# Altium PCB HW_V1.0.0.PcbDoc
Units mm, origin at the board's own origin, x right, y up, seen from the top; angles counter-clockwise.
Board outline 68.2 x 99.47 mm, 2 copper layers (Top Layer, Bottom Layer); 51 components, 65 nets, 213 pads, 238 vias.
Unrouted connection lines stored in the file: 4.
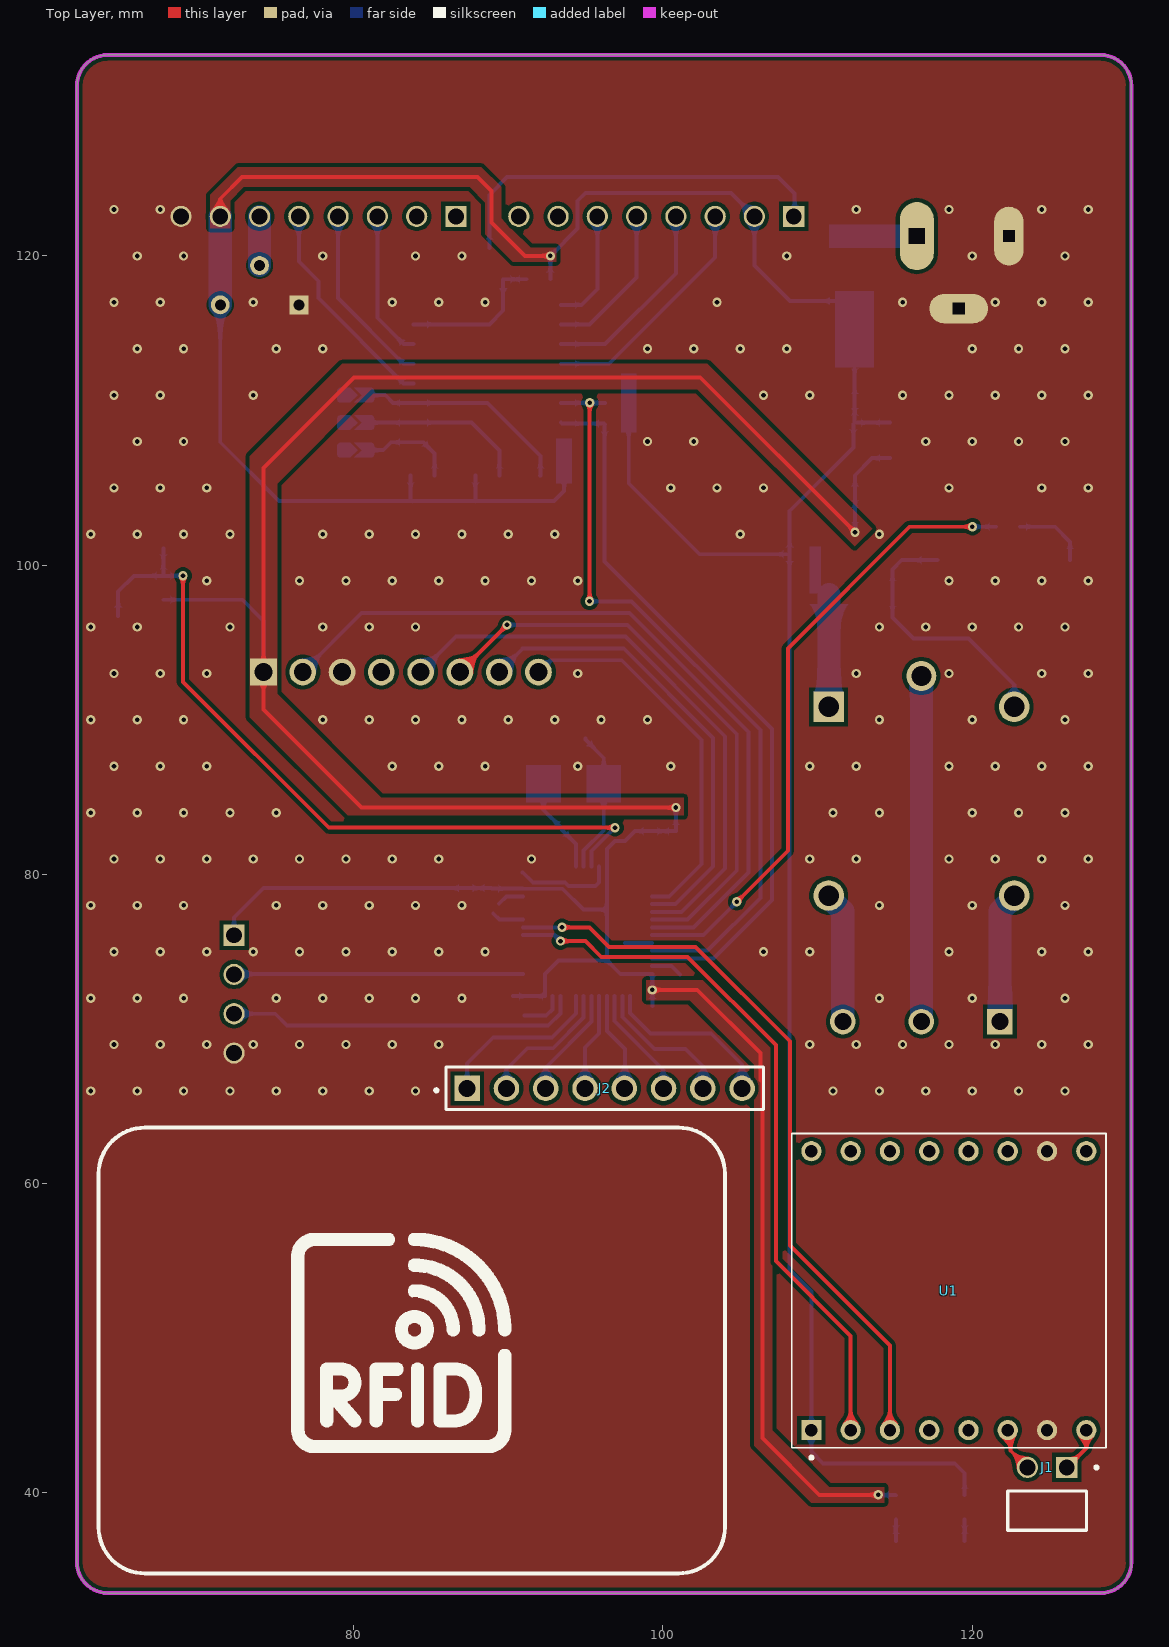
[diagram p0: Top Layer view]
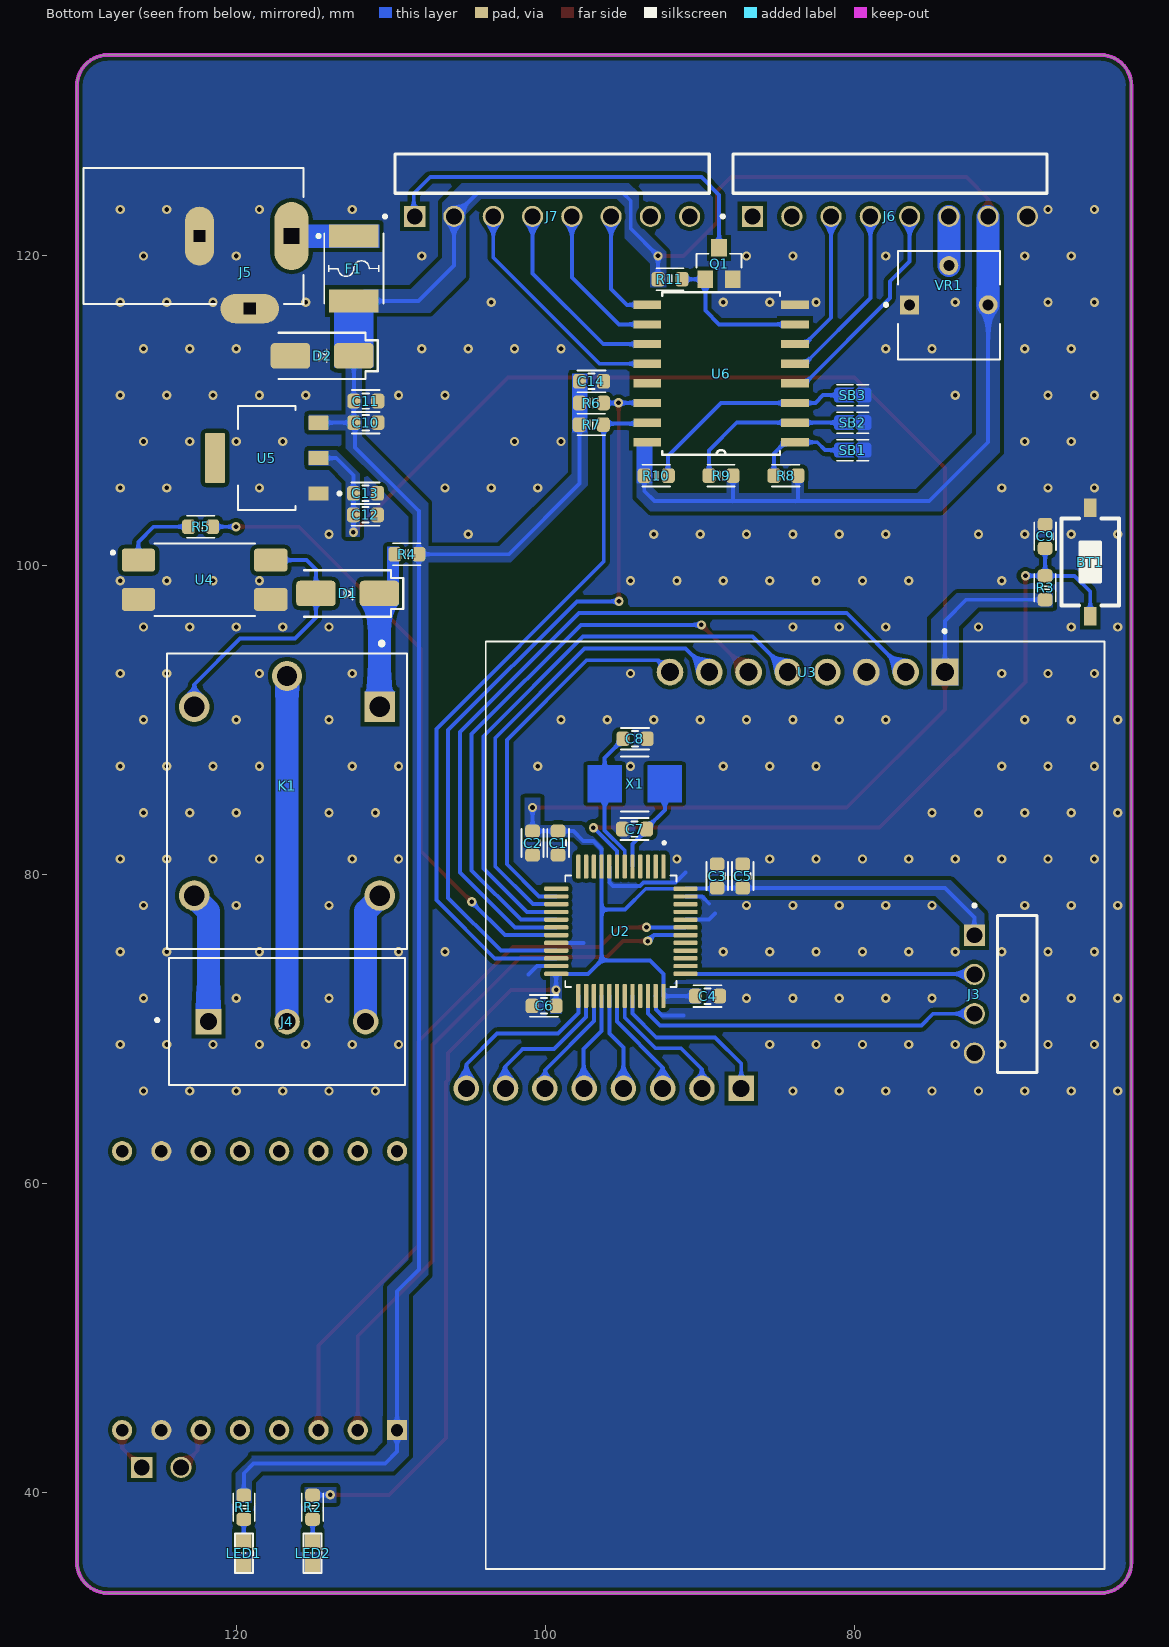
[diagram p1: Bottom Layer view, seen from below]
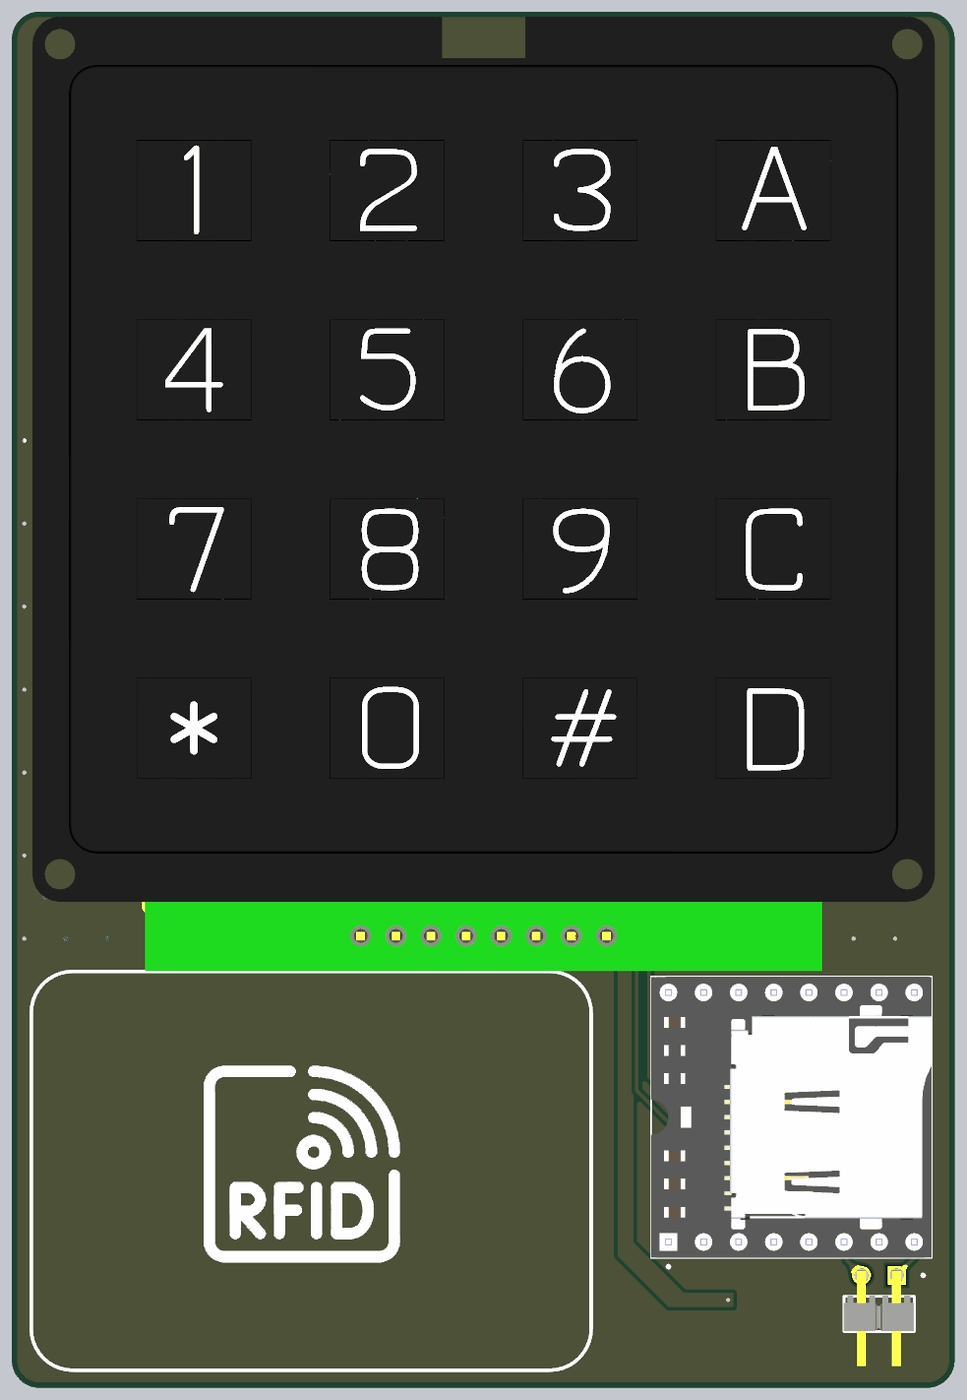
[diagram p2: 3D render of the assembled board from above, using the file's embedded part models]
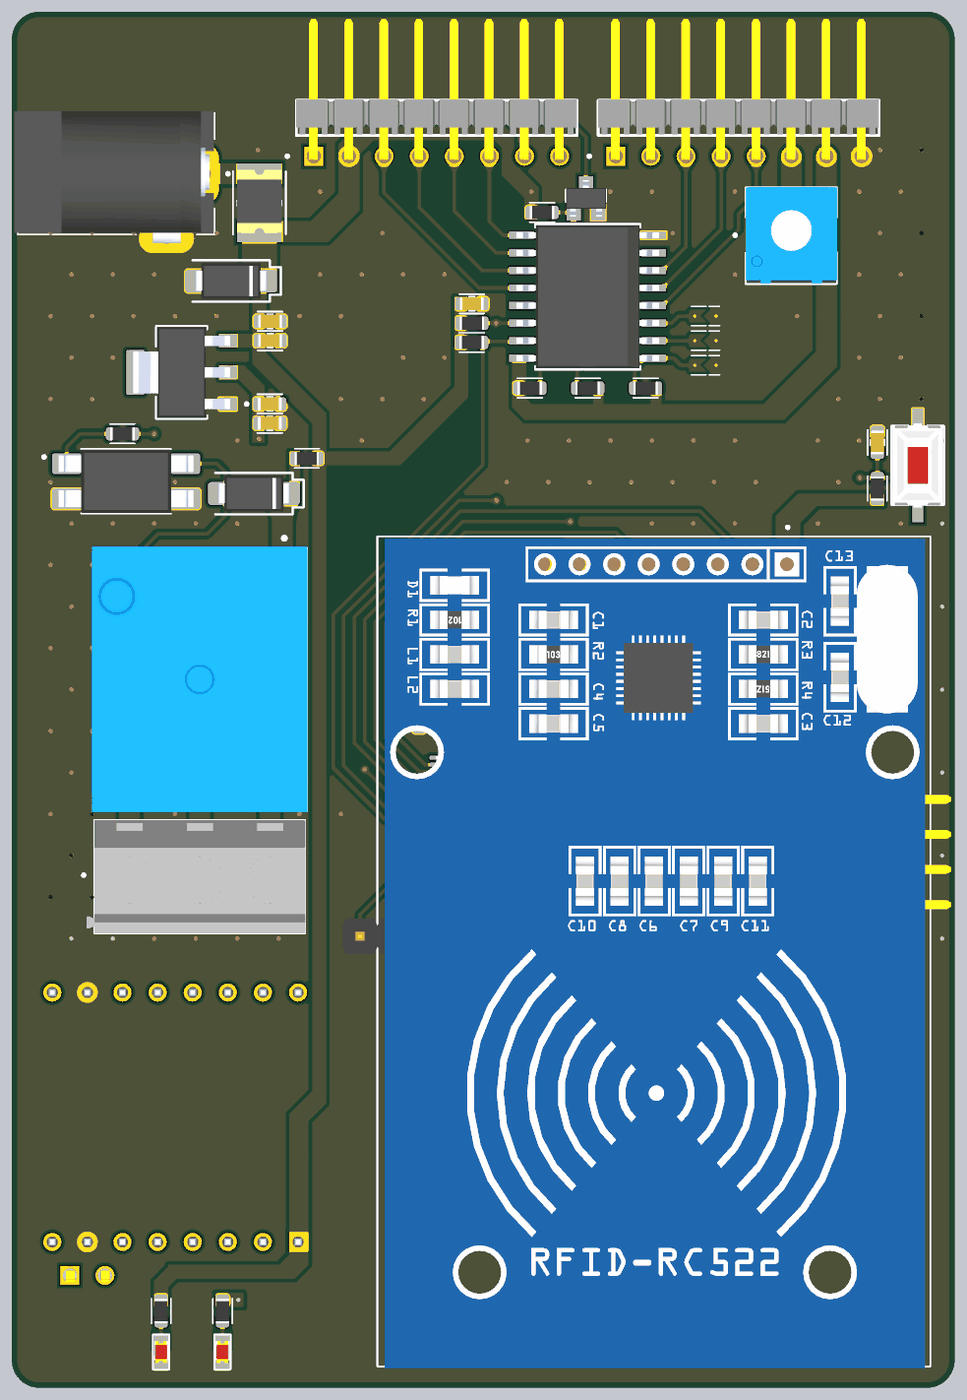
[diagram p3: 3D render of the assembled board from below, using the file's embedded part models]

## Layer stack, top to bottom
Top Solder: solder mask 0.0102, Solder Resist, Dk 3.5
Top Layer: signal copper 0.0356
Dielectric 1: dielectric 0.32, FR-4, Dk 4.8
Bottom Layer: signal copper 0.0356
Bottom Solder: solder mask 0.0102, Solder Resist, Dk 3.5

## Board outline
62.103,35.528 62.103,131 cw(c64.103,131) 64.103,133 128.302,133 cw(c128.302,131) 130.302,131 130.302,35.528 cw(c128.302,35.528) 128.302,33.528 64.103,33.528 cw(c64.103,35.528)

## Design rules (kind name [scope] priority, off if disabled: settings)
Clearance [All] p1: gap=0.254 ignorepadtopadclearanceinfootprint=FALSE except(0.127: Arc-Arc Arc-Track Arc-SMDPad Track-Track Track-SMDPad SMDPad-SMDPad)
HoleSize [All] p1: absolutevalues=TRUE maxlimit=5 minlimit=0.025 maxpercent=80.000 minpercent=20.000
PolygonConnect [All] p1: connectstyle=Direct reliefconductorwidth=0.254 reliefentries=4 polygonreliefangle="90 Angle" airgapwidth=0.254
RoutingVias [All] p1: holewidth=0.711 width=1.27 viastyle="Through Hole" minholewidth=0.711 minwidth=1.27 maxholewidth=0.711 maxwidth=1.27
SolderMaskExpansion [All] p1: expansion=0.102 istentingtop=FALSE
SupplyNets "Schematic Supply Nets_2" [InNet('3V3')] p1: voltage=0.000
SupplyNets "Schematic Supply Nets_1" [InNet('5V')] p2: voltage=0.000
SupplyNets "Schematic Supply Nets" [InNet('GND')] p3: voltage=0.000
Width [All] p1: maxlimit=2 minlimit=0.254 preferedwidth=0.254 minimp=50.000000 maximp=50.000000 favimp=50.000000
29 further rules are at their usual default settings.

## Classes and differential pairs
component class LCD: C14 J6 J7 Q1 R6 R7 R8 R9 R10 R11 SB1 SB2 SB3 U6 VR1
component class RFID: U3
component class Relay: D1 J4 K1 R4 R5 U4
component class POWER: C10 C11 C12 C13 D2 F1 J5 U5
component class MCU: BT1 C1 C2 C3 C4 C5 C6 C7 C8 C9 J1 J3 LED1 LED2 R1 R2 R3 U1 U2 X1

## Components (designator, comment, footprint, x,y, rotation, side; value= is the part's Value field where it differs from the comment)
BT1 "BT_NRST" SW2-SMD 64.77,100.203 r270 bottom value="SW chip 2 pin"
C1 "10nF/16V" CAP_C_1608X80 99.187,82.029 r90 bottom value=33pF
C2 "1uF/16V" CAP_C_1608X80 100.838,82.029 r90 bottom value=33pF
C3 "4.7uF/16V" CAP_C_1608X80 88.9,79.896 r270 bottom value=33pF
C4 "0.1uF/16V" CAP_C_1608X80 89.522,72.136 r0 bottom value=33pF
C5 "0.1uF/16V" CAP_C_1608X80 87.249,79.896 r270 bottom value=33pF
C6 "0.1uF/16V" CAP_C_1608X80 100.089,71.501 r180 bottom value=33pF
C7 "12pF/16V" CAP_C_1608X80 94.237,82.938 r180 bottom value=33pF
C8 "12pF/16V" CAP_C_1608X80 94.211,88.78 r0 bottom value=33pF
C9 "0.1uF/16V" CAP_C_1608X80 67.691,101.867 r270 bottom value=33pF
C10 "1uF/16V" CAP_C_1608X80 111.62,109.22 r0 bottom value=33pF
C11 "0.1uF/16V" CAP_C_1608X80 111.62,110.617 r0 bottom value=33pF
C12 "0.1uF/16V" CAP_C_1608X80 111.646,103.251 r0 bottom value=33pF
C13 "1uF/16V" CAP_C_1608X80 111.646,104.648 r0 bottom value=33pF
C14 "0.1uF/16V" CAP_C_1608X80 97.028,111.887 r0 bottom value=33pF
D1 "SS34" DO-214AC_SMA 112.794,98.171 r0 bottom value=1N5007
D2 "Diode SMD" DO-214AC_SMA 114.445,113.538 r0 bottom value=1N5007
F1 "MF-MSMF150/24X-2" FUSER_MF-MSMF150/24X-2 112.395,119.185 r270 bottom
J1 "MTSW-102-08-G-S-100-RA" SAMTEC_MTSW-102-08-G-S-100-RA 124.841,38.862 r0 top
J2 "keypad module" 61300811121 96.231,66.167 r0 top
J3 "HTSW-104-08-G-S-RA" SAMTEC_HTSW-104-08-G-S-RA 69.493,72.263 r90 bottom
J4 "282837-3" TE_282837-3 116.713,70.485 r180 bottom
J5 "EJ508A" MPD_EJ508A 119.126,121.285 r270 bottom
J6 "TSW-108-10-S-S-RA" SAMTEC_TSW-108-10-S-S-RA 86.614,122.555 r0 bottom
J7 "TSW-108-10-S-S-RA" SAMTEC_TSW-108-10-S-S-RA 108.458,122.555 r0 bottom
K1 "SRD-05VDC-SL-C" RELAY_SRD-05VDC-SL-C 116.713,84.737 r270 bottom
LED1 "LED" LED-0603-RED 119.507,36.106 r270 bottom value="LED 3 - 5 ly 2 Colour"
LED2 "LED" LED-0603-RED 115.062,36.106 r270 bottom value="LED 3 - 5 ly 2 Colour"
Q1 "SMD-TRANSISTORS-NPN-25V-500MW(SOT-23)" SOT-23 88.773,119.507 r180 bottom
R1 "2k" RES_C_1608X60 119.507,39.078 r90 bottom
R2 "1k" RES_C_1608X60 115.062,39.078 r90 bottom
R3 "10k" RES_C_1608X60 67.691,98.539 r270 bottom
R4 "500R" RES_C_1608X60 108.966,100.711 r180 bottom
R5 "1k" RES_C_1608X60 122.301,102.489 r0 bottom
R6 "4.7k" RES_C_1608X60 97.028,110.49 r0 bottom
R7 "4.7k" RES_C_1608X60 97.041,109.093 r0 bottom
R8 "1k" RES_C_1608X60 84.455,105.791 r180 bottom
R9 "1k" RES_C_1608X60 88.646,105.791 r180 bottom
R10 "1k" RES_C_1608X60 92.837,105.791 r0 bottom
R11 "4.7k" RES_C_1608X60 91.948,118.491 r0 bottom
SB1 "JUMPER" JUMPER_1608 80.137,107.442 r180 bottom
SB2 "JUMPER" JUMPER_1608 80.137,109.22 r180 bottom
SB3 "JUMPER" JUMPER_1608 80.137,110.998 r180 bottom
U1 "DFR0299" MODULE_DFR0299 118.491,53.086 r90 top
U2 "STM32F103C8T6" QFP50P900X900X160-48N 95.123,76.327 r270 bottom
U3 "CEG006900" MODULE_CEG006900 82.618,120.851 r0 bottom
U4 "PC817X2NIP1B" SOIC254P960X420-4N 122.047,99.06 r180 bottom
U5 "AMS1117" SOT229P700X180-4N 118.026,106.93 r0 bottom
U6 "PCF8574T" SOIC127P1032X265-16N 88.646,112.395 r0 bottom
VR1 "3362P-103" TRIM_3362P-103 73.914,116.84 r180 bottom
X1 "ECS-080-18-5PX-JES-TR" "XTAL 8MHz" 94.224,85.859 r0 bottom

## Footprints (in the part's own frame and the unit in brackets; to place one, negate y for a bottom-side part, rotate by r counter-clockwise, add the part's x,y. Pads: shape width x height; smd on the part's side, far side on the other; paste and mask are expansions set on the pad)
61300811121 [mm]
  rect 1.65x1.65 hole 1.1: 1(-8.89,0)
  round 1.65 hole 1.1: 2(-6.35,0) 3(-3.81,0) 4(-1.27,0) 5(1.27,0) 6(3.81,0) 7(6.35,0) 8(8.89,0)
  silkscreen extent -10.99,-1.37 10.26,1.37, body extent -32.65,-2.51 32.65,66.49, height 24.39
CAP_C_1608X80 [mm] "Chip Capacitor, 2-Leads, Body 1.60x0.80mm, IPC Medium Density"
  rrect50% 0.85x0.95 smd: 1(-0.775,0) 2(0.775,0)
  silkscreen extent -0.9,-0.7 0.9,0.7, body extent -0.87,-0.48 0.87,0.48, height 0.85
DO-214AC_SMA [mm] "Molded Diode, 2-Leads, Body 5.20x2.61mm, IPC Medium Density"
  rrect30% 2.55x1.65 smd: 1(-2.05,0) 2(2.05,0)
  silkscreen extent -3.6,-1.5 2.8,1.5, body extent -2.6,-1.3 2.6,1.3, height 2.4
FUSER_MF-MSMF150/24X-2 [mm]
  rect 1.5x3.2 smd: 1(-2.1,0) 2(2.1,0)
  silkscreen extent -2.27,-1.91 2.27,1.91, body extent -2.38,-1.62 2.17,1.62, height 0.85
JUMPER_1608 [mil]
  round 1 smd: 1(30.51,0)
  round 1 smd paste-99999 mask+4: 2(-30,0)
  Top Layer region: -14.86,-0.09 3.75,-18.7 -38.37,-18.7 -41.57,-18.06 -44.28,-16.25 -46.1,-13.54 -46.73,-10.33 -46.73,-10.33 -46.73,10.33 -46.1,13.54 -44.28,16.25 -41.57,18.06 -38.37,18.7 -38.37,18.7 3.93,18.7
  Top Layer region: 38.88,-18.7 13.56,-18.7 -5,0 13.56,18.7 38.88,18.7 42.08,18.06 44.79,16.25 46.61,13.54 47.24,10.33 47.24,10.33 47.24,-10.33 46.61,-13.54 44.79,-16.25 42.08,-18.06 38.88,-18.7
  silkscreen extent -40,-27 41,27
LED-0603-RED [mm]
  rect 0.9x1 smd: 1(-0.8,0) 2(0.8,0)
  silkscreen extent -1.27,-0.58 1.27,0.58, body extent -0.81,-0.5 0.81,0.5, height 0.98
MODULE_CEG006900 [mm]
  rect 1.725x1.725 / inner round 1.725 / far side rect 1.725x1.725 hole 1.15: 1(-8.45,27.76)
  round 1.725 hole 1.15: 2(-5.91,27.76) 3(-3.37,27.76) 4(-0.83,27.76) 5(1.71,27.76) 6(4.25,27.76) 7(6.79,27.76) 8(9.33,27.76)
  silkscreen extent -18.76,25.02 21.24,85.78, body extent -18.39,25.93 20.72,85.93, height 15.96
MODULE_DFR0299 [mm]
  rect 1.308x1.308 / inner round 1.308 / far side rect 1.308x1.308 hole 0.8: 1(-9.017,8.89)
  round 1.308 hole 0.8: 2(-9.017,6.35) 3(-9.017,3.81) 4(-9.017,1.27) 5(-9.017,-1.27) 6(-9.017,-3.81) 7(-9.017,-6.35) 8(-9.017,-8.89) 9(9.017,-8.89) 10(9.017,-6.35) 11(9.017,-3.81) 12(9.017,-1.27) 13(9.017,1.27) 14(9.017,3.81) 15(9.017,6.35) 16(9.017,8.89)
  silkscreen extent -10.9,-10.16 10.16,10.16, body extent -10.16,-10.16 10.16,10.16, height 6.25
MPD_EJ508A [mm]
  oval 4.4x2.2 hole 1.02 square: 1(0,2.705)
  oval 3.8x1.9 hole 0.76 square: 2(0,-3.25)
  oval 1.9x3.8 hole 0.76 square: 3(4.69,0)
  silkscreen extent -4.4,-10.74 4.4,4.55, body extent -4.52,-10.99 5.03,3.43, height 10.98
QFP50P900X900X160-48N [mm]
  rrect50% 1.56x0.28 smd: 1(-4.18,2.75) 2(-4.18,2.25) 3(-4.18,1.75) 4(-4.18,1.25) 5(-4.18,0.75) 6(-4.18,0.25) 7(-4.18,-0.25) 8(-4.18,-0.75) 9(-4.18,-1.25) 10(-4.18,-1.75) 11(-4.18,-2.25) 12(-4.18,-2.75) 25(4.18,-2.75) 26(4.18,-2.25) 27(4.18,-1.75) 28(4.18,-1.25) 29(4.18,-0.75) 30(4.18,-0.25) 31(4.18,0.25) 32(4.18,0.75) 33(4.18,1.25) 34(4.18,1.75) 35(4.18,2.25) 36(4.18,2.75)
  rrect50% 0.28x1.56 smd: 13(-2.75,-4.18) 14(-2.25,-4.18) 15(-1.75,-4.18) 16(-1.25,-4.18) 17(-0.75,-4.18) 18(-0.25,-4.18) 19(0.25,-4.18) 20(0.75,-4.18) 21(1.25,-4.18) 22(1.75,-4.18) 23(2.25,-4.18) 24(2.75,-4.18) 37(2.75,4.18) 38(2.25,4.18) 39(1.75,4.18) 40(1.25,4.18) 41(0.75,4.18) 42(0.25,4.18) 43(-0.25,4.18) 44(-0.75,4.18) 45(-1.25,4.18) 46(-1.75,4.18) 47(-2.25,4.18) 48(-2.75,4.18)
  silkscreen extent -5.79,-3.6 3.6,3.6, body extent -4.5,-4.5 4.5,4.5, height 1.6
RELAY_SRD-05VDC-SL-C [mm]
  rect 1.98x1.98 / inner round 1.98 / far side rect 1.98x1.98 hole 1.32: A1(-6.1,6)
  round 1.98 hole 1.32: A2(-6.1,-6) NC(6.1,6) NO(6.1,-6)
  round 1.935 hole 1.29: COM(-8.1,0)
  silkscreen extent -10.3,-7.75 9.55,7.75, body extent -9.6,-7.8 9.6,7.8, height 15.8
RES_C_1608X60 [mm] "Chip Resistor, 2-Leads, Body 1.63x0.83mm, IPC High Density"
  rrect50% 0.85x0.95 smd: 1(-0.775,0) 2(0.775,0)
  silkscreen extent -0.9,-0.7 0.9,0.7, body extent -0.87,-0.48 0.87,0.48, height 0.6
SAMTEC_HTSW-104-08-G-S-RA [mm]
  rect 1.37x1.37 / inner round 1.37 / far side rect 1.37x1.37 hole 1.02: 01(3.81,2.77)
  round 1.37 hole 1.02: 02(1.27,2.77) 03(-1.27,2.77) 04(-3.81,2.77)
  silkscreen extent -5.08,-1.27 5.83,2.87, body extent -5.08,-7.15 5.08,3.07, height 3.02
SAMTEC_MTSW-102-08-G-S-100-RA [mm]
  rect 1.37x1.37 / inner round 1.37 / far side rect 1.37x1.37 hole 1.02: 01(1.27,2.79)
  round 1.37 hole 1.02: 02(-1.27,2.79)
  silkscreen extent -2.54,-1.27 3.29,2.89, body extent -2.57,-3.77 2.51,3.16, height 2.77
SAMTEC_TSW-108-10-S-S-RA [mm]
  rect 1.37x1.37 / inner round 1.37 / far side rect 1.37x1.37 hole 1.02: 01(0,0)
  round 1.37 hole 1.02: 02(-2.54,0) 03(-5.08,0) 04(-7.62,0) 05(-10.16,0) 06(-12.7,0) 07(-15.24,0) 08(-17.78,0)
  silkscreen extent -19.05,-4.04 2.02,0.1, body extent -19.02,-9.94 1.3,0.28, height 2.27
SOIC127P1032X265-16N [mil]
  rect 71x21 smd: 1(-188,175) 2(-188,125) 3(-188,75) 4(-188,25) 5(-188,-25) 6(-188,-75) 7(-188,-125) 8(-188,-175) 9(188,-175) 10(188,-125) 11(188,-75) 12(188,-25) 13(188,25) 14(188,75) 15(188,125) 16(188,175)
  silkscreen extent -150,-207 150,207, body extent -203,-203 203,203, height 104
SOIC254P960X420-4N [mm]
  rrect25% 2.15x1.48 smd: 1(-4.28,1.27) 2(-4.28,-1.27) 3(4.28,-1.27) 4(4.28,1.27)
  silkscreen extent -6.03,-2.33 3.25,2.33, body extent -4.87,-2.29 4.87,2.29, height 4
SOT229P700X180-4N [mm]
  rrect15% 1.31x0.93 smd: 1(-3.345,2.29) 2(-3.345,0) 3(-3.345,-2.29)
  rrect15% 1.31x3.24 smd: 4(3.345,0)
  silkscreen extent -4.8,-3.36 1.86,3.36, body extent -3.5,-3.25 3.5,3.25, height 1.8
SOT-23 [mil]
  rect 40x45 smd: 1(-35,-40) 2(35,-40) 3(0,40)
  silkscreen extent -58,-10 58,25, body extent -57,-51 57,51, height 55
SW2-SMD [mm]
  rect 1.2x0.8 smd: 1(-3.5,0) 2(3.5,0)
  silkscreen extent -2.82,-1.85 2.82,1.85, body extent -3.05,-1.85 3.05,1.85, height 2.5
TE_282837-3 [mm]
  rect 1.65x1.65 hole 1.1: 1(-5.08,0)
  round 1.65 hole 1.1: 2(0,0) 3(5.08,0)
  silkscreen extent -8.5,-4.1 7.62,4.1, body extent -8.2,-4.11 7.64,4.09, height 9.95
TRIM_3362P-103 [mm]
  rect 1.222x1.222 / inner round 1.222 / far side rect 1.222x1.222 hole 0.714: 1(-2.54,0)
  round 1.222 hole 0.714: 2(0,2.54) 3(2.54,0)
  silkscreen extent -4.16,-3.53 3.3,3.47, body extent -3.3,-3.49 3.3,3.49, height 4.88
"XTAL 8MHz" [mil]
  round 1 smd: 1(-76.69,0) 2(76.69,0)
  Top Layer region: 33.39,47.24 120,47.24 120,-47.24 33.39,-47.24
  Top Layer region: -120,47.24 -120,-47.24 -33.39,-47.24 -33.39,47.24
  silkscreen extent -35,-70 35,70, body extent -98,-63 98,63, height 59

## Part data
BT1: library part BT2, "Switch button 2 pin"
C1 C2 C3 C4 C5 C6 C7 C8 C9 C10 C11 C12 C13 C14: library part CAP_SMD, "CAP_Chip"
D1: library part "Diode SMD", "Default Diode", Code - JEDEC=DO-214-AB, Published=8-Jun-2000, Publisher="Altium Limited", Revision="July-2002: Re-released for DXP Platform."
D2: "Default Diode", Code - JEDEC=DO-214-AB, Published=8-Jun-2000, Publisher="Altium Limited", Revision="July-2002: Re-released for DXP Platform."
F1: "Polymeric PTC Resettable Fuse 24V 1.5 A Ih Surface Mount 1812 (4532 Metric), Concave", Package="1812 Bourns", Check_prices=https://www.snapeda.com/parts/MF-MSMF150/24X-2/Bourns/view-part/?ref=eda, Digi-Key_Part_Number=MF-MSMF150/24X-2TR-ND, MF=Bourns, MP=MF-MSMF150/24X-2, Purchase-URL=https://pricing.snapeda.com/search/part/MF-MSMF150/24X-2/?ref=eda, SnapEDA_Link=https://www.snapeda.com/parts/MF-MSMF150/24X-2/Bourns/view-part/?ref=snap
J1: "Connector Header Through Hole, Right Angle 2 position 0.100 (2.54mm)", Package=None, Check_prices=https://www.snapeda.com/parts/MTSW-102-08-G-S-100-RA/Samtec/view-part/?ref=eda, MF=Samtec, MP=MTSW-102-08-G-S-100-RA, SnapEDA_Link=https://www.snapeda.com/parts/MTSW-102-08-G-S-100-RA/Samtec/view-part/?ref=snap
J2: "8 pins, 1 row, straight, gold plating", Package=None, Check_prices=https://www.snapeda.com/parts/61300811121/Wurth+Electronics/view-part/?ref=eda, MF="Wurth Electronics", MP=61300811121, SnapEDA_Link=https://www.snapeda.com/parts/61300811121/Wurth+Electronics/view-part/?ref=snap
J3: Package=None, Availability=Unavailable, MF=Samtec, MP=HTSW-104-08-G-S-RA, Price=None
J4: "TERMI-BLOK PCB MOUNT 3P", Package=None, Availability=Unavailable, MP=282837-3, Price=None
J5: "Power Barrel Connector Jack 2.10mm ID _0.083_, 5.50mm OD _0.217_ Through Hole, Right Angle", Package="Non-Standard MPD", Availability=Unavailable, MF=MPD, MP=EJ508A, Price=None, SnapEDA_Link=https://www.snapeda.com/parts/EJ508A/MPD%20%28Memory%20Protection%20Devices%29/view-part/474399/?ref=snap
J6 J7: "Connector Header Through Hole, Right Angle 8 position 0.100 (2.54mm)", Package=None, Check_prices=https://www.snapeda.com/parts/TSW-108-10-S-S-RA/Samtec/view-part/?ref=eda, MF=Samtec, MP=TSW-108-10-S-S-RA, SnapEDA_Link=https://www.snapeda.com/parts/TSW-108-10-S-S-RA/Samtec/view-part/?ref=snap
K1: "5V Trigger Relay Module For Arduino And Raspberry Pi 5V Trigger Relay Module For Arduino And Raspberry Pi", Package="NON STANDARD-5 Songle Relay", Availability="Not in stock", Check_prices=https://www.snapeda.com/parts/SRD-05VDC-SL-C/Songle+Relay/view-part/?ref=eda, MF="Songle Relay", MP=SRD-05VDC-SL-C, Price=None, SnapEDA_Link=https://www.snapeda.com/parts/SRD-05VDC-SL-C/Songle+Relay/view-part/?ref=snap
LED1 LED2: library part "LED SMD"
Q1: "Bipolar (BJT) Transistor NPN 25 V 500 mA 150MHz 300 mW Surface Mount SOT-23", Package=None, Availability="In Stock", Check_prices=https://www.snapeda.com/parts/S8050/Umwelt+Sensor+Teknik/view-part/?ref=eda, MF=UMW, MP=S8050, Price=None, Purchase-URL=https://pricing.snapeda.com/search/part/S8050/?ref=eda, SnapEDA_Link=https://www.snapeda.com/parts/S8050/Umwelt+Sensor+Teknik/view-part/?ref=snap
R1 R2 R3 R4 R5 R6 R7 R8 R9 R10 R11: library part RES_SMD, "RES"
U1: "- MP3 Player Audio Arduino Platform Evaluation Expansion Board", Package=None, Check_prices=https://www.snapeda.com/parts/DFR0299/DFRobot/view-part/?ref=eda, MF=DFRobot, MP=DFR0299, SnapEDA_Link=https://www.snapeda.com/parts/DFR0299/DFRobot/view-part/?ref=snap
U2: "ARM® Cortex®-M3 STM32F1 Microcontroller IC 32-Bit 72MHz 64KB (64K x 8) FLASH 48-LQFP (7x7)", Package="LQFP-48 STMicroelectronics", Check_prices=https://www.snapeda.com/parts/STM32F103C8T6/STMicroelectronics/view-part/?ref=eda, MF=STMicroelectronics, MP=STM32F103C8T6, SnapEDA_Link=https://www.snapeda.com/parts/STM32F103C8T6/STMicroelectronics/view-part/?ref=snap
U3: "RFID RC522 Reader IC Card Module Tags SPI Interface Read and Write", Package=None, Availability="Not in stock", Check_prices=https://www.snapeda.com/parts/CEG006900/YKS/view-part/?ref=eda, MF=YKS, MP=CEG006900, Price=None, SnapEDA_Link=https://www.snapeda.com/parts/CEG006900/YKS/view-part/?ref=snap
U4: "Optocoupler DC-IN 1-CH Transistor DC-OUT 4-Pin DIP SMD T/R", Package="SMD-4 Sharp Microelectronics", Check_prices=https://www.snapeda.com/parts/PC817X2NIP1B/Sharp+Microelectronics/view-part/?ref=eda, MF="Sharp Microelectronics", MP=PC817X2NIP1B, SnapEDA_Link=https://www.snapeda.com/parts/PC817X2NIP1B/Sharp+Microelectronics/view-part/?ref=snap
U5: "1A LOW DROPOUT VOLTAGE REGULATOR SOT-223", Package="SOT-223 Seeed Technology", Check_prices=https://www.snapeda.com/parts/AMS1117/Advanced+Monolithic+Systems/view-part/?ref=eda, MF="Advanced Monolithic Systems", MP=AMS1117, SnapEDA_Link=https://www.snapeda.com/parts/AMS1117/Advanced+Monolithic+Systems/view-part/?ref=snap
U6: "I/O Expander 8 IÂ²C 100 kHz 20-SSOP", Package="SOIC-16 NXP Semiconductors", Availability="In Stock", Check_prices=https://www.snapeda.com/parts/PCF8574T/NXP+Semiconductors/view-part/?ref=eda, MF="NXP Semiconductors", MP=PCF8574T, Price=None, Purchase-URL=https://pricing.snapeda.com/search/part/PCF8574T/?ref=eda, SnapEDA_Link=https://www.snapeda.com/parts/PCF8574T/NXP+Semiconductors/view-part/?ref=snap
VR1: "10 kOhms 0.5W, 1/2W PC Pins Through Hole Trimmer Potentiometer Cermet 1 Turn Top Finger Adjustment", Package="3362P-1 Bourns Inc.", Check_prices=https://www.snapeda.com/parts/3362P-103/Bourns/view-part/?ref=eda, MF=Bourns, MP=3362P-103, SnapEDA_Link=https://www.snapeda.com/parts/3362P-103/Bourns/view-part/?ref=snap
X1: "8 MHz Â±20ppm Crystal 18pF 60 Ohms HC-49/US", Package="CSM-7X-3L-5G3X-2 ECS", Check_prices=https://www.snapeda.com/parts/ECS-080-18-5PX-JES-TR/ECS/view-part/?ref=eda, MF="ECS Inc.", MP=ECS-080-18-5PX-JES-TR, SnapEDA_Link=https://www.snapeda.com/parts/ECS-080-18-5PX-JES-TR/ECS/view-part/?ref=snap

## Via types
v1: diameter 0.6, hole 0.3, Top Layer to Bottom Layer, tented both sides, 238 vias

## Nets (pads, with @x,y where several pads share a name; then routed paths per layer and width w, separated by ;. In a path a pad name is that pad's centre, name@x,y a point inside that pad or via, vN(x,y) a via of type N, cw(c..) or ccw(c..) an arc to the next point about the centre after c; other vN are vias at no path point)
3V3: C1.2 C2.2 C3.2 C4.2 C5.2 C6.2 C12.2 C13.2 J3.01 R2.2 R3.2 U2.9 U2.24 U2.36 U2.48 U3.1 U5.2 | length 203.8
  Top Layer w0.254: v1(99.314,72.533) 102.219,72.533 106.299,68.453 106.299,66.695 106.426,66.568 106.426,43.561 110.109,39.878 v1(113.919,39.878) ; v1(100.838,84.328) 80.518,84.328 74.168,90.678 U3.1 74.168,106.299 80.01,112.141 102.414,112.141 v1(112.421,102.134)
  Bottom Layer w0.254: R3.2 72.797,97.764 74.168,96.393 U3.1 ; J3.01 72.263,77.216 74.168,79.121 C5.2 C3.2 88.931,79.09 90.93,79.09 U2.48 93.516,79.077 94.869,77.724 96.373,77.724 ; C4.2 92.362,72.136 U2.36 92.373,73.577 93.238,74.442 96.373,74.442 ; C6.2 v1(99.314,72.533) 99.314,73.566 U2.24 97.238,73.577 96.373,74.442 ; v1(100.838,84.328) C2.2 C1.2 98.191,82.804 97.556,82.169 96.901,82.169 96.373,81.641 U2.9 96.373,77.724 ; v1(112.421,102.134) C12.2 C13.2 112.421,105.817 113.534,106.93 U5.2 ; v1(113.919,39.878) 113.931,39.866 115.049,39.866 R2.2 ; 96.373,74.442 96.373,77.724
5V: C10.2 C11.2 C14.2 D2.1 F1.2 J6.07 J7.02 R1.2 R4.2 R6.2 R7.2 R8.2 R9.2 R10.2 R11.2 U1.1 U5.3 U6.16 VR1.3 | length 206.7
  Top Layer w0.254: J6.07 71.374,123.698 72.771,125.095 88.011,125.095 88.9,124.206 88.9,122.174 91.072,120.002 v1(92.723,120.002)
  Bottom Layer w0.254: VR1.3 71.374,107.95 75.184,104.14 83.693,104.14 ; R8.2 83.68,104.153 83.693,104.14 ; R9.2 87.871,104.153 87.884,104.14 ; R11.2 v1(92.723,120.002) 94.488,121.767 94.488,123.571 94.996,124.079 104.394,124.079 J7.02 105.918,119.38 108.213,117.085 F1.2 ; U6.16 93.472,107.95 93.612,107.81 R10.2 93.612,104.788 92.964,104.14 87.884,104.14 ; C14.2 R6.2 97.809,110.484 R7.2@97.809,109.099 ; R7.2@97.816,109.043 R7.2 R7.2@97.809,109.099 ; D2.1 C11.2 C10.2 ; U5.3 C10.2 ; R1.2 119.507,41.275 118.872,41.91 110.363,41.91 109.601,42.672 U1.1 109.601,53.046 108.191,54.456 R4.2 ; 83.693,104.14 87.884,104.14 ; R7.2@97.809,109.099 97.79,109.08 97.79,105.283 102.362,100.711 R4.2 ; R4.2 108.191,103.492 112.323,107.624 112.323,109.148 C10.2
  Bottom Layer w1.5: VR1.3 J6.07
COL_1: J2.5 U2.28 | length 6.5
  Bottom Layer w0.254: U2.28 96.373,69.87 97.536,68.707 97.536,66.202 J2.5
COL_2: J2.6 U2.27 | length 7.3
  Bottom Layer w0.254: U2.27 96.873,70.513 100.013,67.373 100.013,66.195 J2.6
COL_3: J2.7 U2.26 | length 9.4
  Bottom Layer w0.254: U2.26 97.373,70.775 99.441,68.707 101.473,68.707 102.616,67.564 102.616,66.202 J2.7
COL_4: J2.8 U2.25 | length 11.3
  Bottom Layer w0.254: U2.25 97.873,71.037 99.187,69.723 103.124,69.723 105.121,67.726 J2.8
GND: BT1.1 C1.1 C2.1 C3.1 C4.1 C5.1 C6.1 C7.1 C8.1 C9.1 C10.1 C11.1 C12.1 C13.1 C14.1 D2.2 J3.04 J5.2 J5.3 J6.08 LED1.2 LED2.2 Q1.2 SB1.1 SB2.1 SB3.1 U1.7 U1.10 U2.8 U2.20 U2.23 U2.35 U2.44 U2.47 U3.3 U4.2 U4.3 U5.1 U6.8 VR1.1 | length 16.9
  Bottom Layer w0.254: 89.027,77.47 89.42,77.077 U2.44 ; 89.408,78.105 89.88,78.577 U2.47 ; 90.932,80.137 91.596,79.473 93.659,79.473 93.884,79.248 95.631,79.248 95.873,79.49 U2.8 ; 91.059,70.866 92.456,70.866 92.86,71.27 92.86,72.134 U2.35 ; 97.548,75.577 U2.20 ; U2.23 100.548,74.077 101.092,73.533
  other v1: 63,66 66,66 69,66 72,66 75,66 78,66 81,66 84,66 111,66 114,66 117,66 120,66 123,66 126,66 64.5,69 67.5,69 70.5,69 73.5,69 76.5,69 79.5,69 82.5,69 85.5,69 109.5,69 112.5,69 115.5,69 118.5,69 121.5,69 124.5,69 127.5,69 63,72 66,72 69,72 75,72 78,72 81,72 84,72 87,72 114,72 120,72 126,72 64.5,75 67.5,75 70.5,75 73.5,75 76.5,75 79.5,75 82.5,75 85.5,75 88.5,75 106.5,75 109.5,75 118.5,75 124.5,75 127.5,75 63,78 66,78 69,78 75,78 78,78 81,78 84,78 87,78 114,78 120,78 126,78 64.5,81 67.5,81 70.5,81 73.5,81 76.5,81 79.5,81 82.5,81 85.5,81 91.5,81 109.5,81 112.5,81 118.5,81 121.5,81 124.5,81 127.5,81 63,84 66,84 69,84 72,84 75,84 111,84 114,84 120,84 123,84 126,84 64.5,87 67.5,87 70.5,87 82.5,87 85.5,87 88.5,87 94.5,87 100.5,87 109.5,87 112.5,87 118.5,87 121.5,87 124.5,87 127.5,87 63,90 66,90 69,90 78,90 81,90 84,90 87,90 90,90 93,90 96,90 99,90 114,90 120,90 126,90 64.5,93 67.5,93 70.5,93 94.5,93 112.5,93 118.5,93 124.5,93 127.5,93 63,96 66,96 72,96 78,96 81,96 84,96 114,96 117,96 120,96 123,96 126,96 70.5,99 76.5,99 79.5,99 82.5,99 85.5,99 88.5,99 91.5,99 94.5,99 118.5,99 121.5,99 124.5,99 127.5,99 63,102 66,102 69,102 72,102 78,102 81,102 84,102 87,102 90,102 93,102 105,102 114,102 64.5,105 67.5,105 70.5,105 100.5,105 103.5,105 106.5,105 118.5,105 124.5,105 127.5,105 66,108 69,108 99,108 102,108 117,108 120,108 123,108 126,108 64.5,111 67.5,111 73.5,111 106.5,111 109.5,111 115.5,111 118.5,111 121.5,111 124.5,111 127.5,111 66,114 69,114 75,114 78,114 99,114 102,114 105,114 108,114 120,114 123,114 126,114 64.5,117 67.5,117 73.5,117 82.5,117 85.5,117 88.5,117 103.5,117 115.5,117 121.5,117 124.5,117 127.5,117 66,120 69,120 78,120 84,120 87,120 108,120 120,120 126,120 64.5,123 67.5,123 112.5,123 118.5,123 124.5,123 127.5,123
NetD1_1: D1.1 K1.A1 R4.1 | length 10.4
  Bottom Layer w0.254: R4.1 109.741,98.86 110.43,98.171 D1.1 ; K1.A1 K1.A1@110.744,90.868
  Bottom Layer w1.5: K1.A1@110.744,90.868 D1.1@110.744,98.098
NetD1_2: D1.2 K1.A2 U4.4 | length 17.4
  Bottom Layer w0.254: U4.4 115.443,100.33 114.844,99.731 D1.2 114.844,96.611 116.205,95.25 119.761,95.25 122.713,92.298 K1.A2
NetF1_1: F1.1 J5.1 | length 4
  Bottom Layer w0.254: F1.1 J5.1
NetJ1_01: J1.01 U1.8 | length 2.9
  Top Layer w0.254: J1.01 127.381,42.922 U1.8
NetJ1_02: J1.02 U1.6 | length 2.9
  Top Layer w0.254: U1.6 122.491,43.879 122.491,42.732 J1.02
NetJ4_1: J4.1 K1.NO | length 8.5
  Bottom Layer w1.5: J4.1 121.793,77.618 122.713,78.538 K1.NO
NetJ4_2: J4.2 K1.COM | length 22.4
  Bottom Layer w1.5: J4.2 K1.COM
NetJ4_3: J4.3 K1.NC | length 8.5
  Bottom Layer w1.5: K1.NC 110.713,78.538 111.633,77.618 J4.3
NetJ6_06: J6.06 VR1.2 | length 3.2
  Bottom Layer w1.5: VR1.2 J6.06
NetJ7_01: J7.01 Q1.3 | length 25.6
  Bottom Layer w0.254: Q1.3 88.773,123.952 89.916,125.095 107.455,125.095 108.518,124.032 108.518,122.615 J7.01
NetLED1_1: LED1.1 R1.1 | length 1.4
  Bottom Layer w0.254: LED1.1 R1.1
NetLED2_1: LED2.1 R2.1 | length 1.4
  Bottom Layer w0.254: LED2.1 R2.1
NetR5_2: R5.2 U4.1 | length 4.8
  Bottom Layer w0.254: R5.2 125.349,102.489 126.327,101.511 U4.1
NetR8_1: R8.1 SB1.2 U6.1 | length 6.3
  Bottom Layer w0.254: SB1.2 81.915,107.442 82.423,107.95 U6.1 84.506,107.95 85.23,107.226 R8.1
NetR9_1: R9.1 SB2.2 U6.2 | length 10.9
  Bottom Layer w0.254: SB2.2 U6.2 87.63,109.22 89.421,107.429 R9.1
NetR10_1: R10.1 SB3.2 U6.3 | length 14.1
  Bottom Layer w0.254: SB3.2 82.042,110.998 82.55,110.49 U6.3 88.646,110.49 92.075,107.061 92.075,105.804 R10.1
OSCIN: C7.2 U2.5 X1.1 | length 6.2
  Bottom Layer w0.254: X1.1 92.276,84.174 93.462,82.988 93.462,82.888 94.373,81.978 U2.5
OSCOUT: C8.2 U2.6 X1.2 | length 9.3
  Bottom Layer w0.254: U2.6 94.873,81.538 96.172,82.837 96.172,87.544 94.986,88.73 C8.2
P0: J6.05 U6.4 | length 14.2
  Bottom Layer w0.254: J6.05 76.454,119.634 77.724,118.364 77.724,117.272 83.236,111.76 U6.4
P1: J6.04 U6.5 | length 11.9
  Bottom Layer w0.254: J6.04 78.994,117.272 83.236,113.03 U6.5
P2: J6.03 U6.6 | length 9.6
  Bottom Layer w0.254: J6.03 81.534,116.002 83.236,114.3 U6.6
P3: Q1.1 R11.1 U6.7 | length 9.7
  Bottom Layer w0.254: U6.7 88.773,115.57 89.662,116.459 Q1.1 R11.1
P4: J7.06 U6.9 | length 7.5
  Bottom Layer w0.254: U6.9 94.742,116.84 95.758,117.856 J7.06
P5: J7.05 U6.10 | length 10.1
  Bottom Layer w0.254: U6.10 95.25,115.57 98.298,118.618 J7.05
P6: J7.04 U6.11 | length 13
  Bottom Layer w0.254: U6.11 96.266,114.3 100.838,118.872 J7.04
P7: J7.03 U6.12 | length 15.5
  Bottom Layer w0.254: U6.12 96.52,113.03 103.378,119.888 J7.03
PA0: U2.10
PA1: U2.11
PA2: U2.12
PA3: U2.13
PA4: U2.14 U3.8 | length 25.1
  Bottom Layer w0.254: U3.8 91.972,93.091 92.734,93.853 97.337,93.853 102.489,88.701 102.489,80.659 100.407,78.577 U2.14
PA5: U2.15 U3.7 | length 30.1
  Bottom Layer w0.254: U3.7 90.932,94.615 97.464,94.615 103.251,88.828 103.251,80.518 100.81,78.077 U2.15
PA6: U2.16 U3.5 | length 37.7
  Bottom Layer w0.254: U3.5 86.614,95.377 97.573,95.377 104.013,88.937 104.013,80.391 101.199,77.577 U2.16
PA7: U2.17 U3.6 | length 37.7
  Top Layer w0.254: U3.6 v1(89.916,96.139)
  Bottom Layer w0.254: v1(89.916,96.139) 97.709,96.139 104.775,89.073 104.775,80.264 101.588,77.077 U2.17
PA12: U2.33
PA15: U2.38
PB0: U2.18 U3.2 | length 50.4
  Bottom Layer w0.254: U3.2 80.518,96.901 97.845,96.901 105.537,89.209 105.537,80.137 101.981,76.581 U2.18@99.303,76.581
PB1: R5.1 U2.19 | length 40.8
  Top Layer w0.254: v1(104.773,78.23) 108.077,81.534 108.077,94.615 115.951,102.489 v1(120.015,102.489)
  Bottom Layer w0.254: U2.19 102.62,76.077 v1(104.773,78.23) ; v1(120.015,102.489) R5.1
PB3: U2.39
PB4: U2.40
PB5: U2.41
PB6: U1.2 U2.42 | length 46.2
  Top Layer w0.254: v1(93.378,75.692) 94.996,75.692 96.012,74.676 101.6,74.676 107.315,68.961 107.315,54.991 112.141,50.165 U1.2
  Bottom Layer w0.254: U2.42 92.993,76.077 v1(93.378,75.692)
PB7: U1.3 U2.43 | length 48.1
  Top Layer w0.254: v1(93.472,76.581) 95.25,76.581 96.52,75.311 102.108,75.311 108.204,69.215 108.204,56.007 114.681,49.53 U1.3
  Bottom Layer w0.254: U2.43 93.468,76.577 v1(93.472,76.581)
PB8: U2.45
PB9: U2.46
PB10: R6.1 U2.21 U6.14 | length 49.4
  Top Layer w0.254: v1(95.25,97.663) 95.262,97.675 95.262,110.485 v1(95.275,110.497)
  Bottom Layer w0.254: U6.14 93.425,110.494 95.271,110.494 v1(95.275,110.497) 95.278,110.494 96.249,110.494 R6.1 ; v1(95.25,97.663) 97.972,97.663 106.299,89.336 106.299,78.486 102.89,75.077 U2.21
PB11: R7.1 U2.22 U6.15 | length 47.5
  Bottom Layer w0.254: U6.15 93.485,109.156 96.203,109.156 R7.1 ; R7.1@96.234,109.125 96.234,100.235 107.061,89.408 107.061,78.359 103.279,74.577 U2.22
PC13: U2.2
PC14: U2.3
PC15: U2.4
RESET: BT1.2 C9.2 R3.1 U2.7 | length 49.8
  Top Layer w0.254: v1(68.961,99.314) 68.961,92.456 78.39,83.027 v1(96.901,83.027)
  Bottom Layer w0.254: BT1.2 64.77,98.298 65.786,99.314 R3.1 ; C9.2 R3.1 ; v1(68.961,99.314) R3.1 ; U2.7 95.386,80.52 95.386,81.512 v1(96.901,83.027)
ROW_1: J2.1 U2.32 | length 11.1
  Bottom Layer w0.254: J2.1 87.341,67.783 89.027,69.469 92.837,69.469 94.373,71.005 U2.32
ROW_2: J2.2 U2.31 | length 9
  Bottom Layer w0.254: J2.2 89.881,67.402 91.239,68.76 92.89,68.76 94.873,70.743 U2.31
ROW_3: J2.3 U2.30 | length 7.2
  Bottom Layer w0.254: J2.3 92.421,67.529 95.373,70.481 U2.30
ROW_4: J2.4 U2.29 | length 6.4
  Bottom Layer w0.254: J2.4 94.961,68.799 95.873,69.711 U2.29
SWCLK: J3.02 U2.37 | length 18.7
  Bottom Layer w0.254: J3.02 72.294,73.564 90.93,73.564 U2.37
SWDIO: J3.03 U2.34 | length 22.9
  Bottom Layer w0.254: J3.03 74.93,70.993 75.692,70.231 92.583,70.231 93.373,71.021 U2.34
VBAT: U2.1
pads on no net: J6.01 J6.02 J7.07 J7.08 U1.4 U1.5 U1.9 U1.11 U1.12 U1.13 U1.14 U1.15 U1.16 U3.4 U5.4 U6.13

## Polygon pours and split planes (outlines as drawn)
GND on Bottom Layer "GND_L02_P023" (solid, remove dead copper, pour order 23): 62.103,35.528 62.103,131 cw(c64.103,131) 64.103,133 128.302,133 cw(c128.302,131) 130.302,131 130.302,35.528 cw(c128.302,35.528) 128.302,33.528 64.103,33.528 cw(c64.103,35.528)
3V3 on Bottom Layer "3V3_L02_P018" (solid, pour order 18): 98.679,83.185 98.679,82.423 98.171,82.423 97.663,81.915 96.901,81.915 96.52,81.534 96.266,81.534 96.266,81.788 97.663,83.185
3V3 on Bottom Layer "3V3_L02_P021" (solid, pour order 21): 115.57,40.386 115.57,39.37 113.538,39.37 113.538,40.386
3V3 on Bottom Layer "3V3_L02_P020" (solid, pour order 20): 89.916,72.644 89.916,71.628 92.456,71.628 92.456,72.644
3V3 on Bottom Layer "3V3_L02_P019" (solid, pour order 19): 72.898,75.438 71.628,75.438 71.628,77.47 73.787,79.629 89.408,79.629 89.408,78.613 74.803,78.613 72.898,76.708
3V3 on Bottom Layer "3V3_L02_P017" (solid, pour order 17): 101.346,84.963 101.346,82.423 98.679,82.423 98.679,83.185 100.33,83.185 100.33,84.963
3V3 on Bottom Layer "3V3_L02_P015" (solid, pour order 15): 99.695,70.993 98.933,70.993 98.933,73.66 99.695,73.66
5V on Bottom Layer "5V_L02_P014" (solid, pour order 14): 93.091,105.283 94.107,105.283 94.107,104.394 93.218,103.505 74.422,103.505 70.612,107.315 70.612,117.983 72.136,117.983 72.136,108.458 75.946,104.648 92.71,104.648 93.091,105.029
5V on Bottom Layer "5V_L02_P013" (solid, pour order 13): 84.074,106.172 83.312,106.172 83.312,104.013 84.074,104.013
5V on Bottom Layer "5V_L02_P012" (solid, pour order 12): 88.265,106.172 88.265,104.013 87.503,104.013 87.503,106.172
3V3 on Bottom Layer "3V3_L02_P011" (solid, pour order 11): 75.057,92.202 73.279,92.202 73.279,96.012 72.009,97.282 67.183,97.282 67.183,98.171 73.406,98.171 75.057,96.52
5V on Bottom Layer "5V_L02_P010" (solid, pour order 10): 107.95,101.219 107.95,100.203 102.235,100.203 97.282,105.156 97.282,108.585 98.298,108.585 98.298,105.918 102.997,101.219
5V on Bottom Layer "5V_L02_P009" (solid, pour order 9): 111.887,108.966 112.903,108.966 112.903,107.569 108.585,103.251 108.585,54.991 110.236,53.34 110.236,43.18 110.998,42.418 118.999,42.418 118.999,42.291 120.015,41.275 120.015,39.37 118.999,39.37 118.999,40.767 118.364,41.402 109.855,41.402 108.839,42.418 108.839,52.832 107.569,54.102 107.569,104.013 111.887,108.331
5V on Bottom Layer "5V_L02_P004" (solid, pour order 4): 105.156,122.682 106.68,122.682 106.68,123.444 105.41,124.714 94.615,124.714 93.98,124.079 93.98,122.047 92.202,120.269 92.202,117.983 93.218,117.983 93.218,119.507 94.869,121.158 94.869,123.19 95.377,123.698 104.14,123.698
5V on Bottom Layer "5V_L02_P003" (solid, pour order 3): 111.76,117.856 111.76,116.332 107.442,116.332 105.156,118.618 105.156,122.682 106.68,122.682 106.68,119.888 108.712,117.856
3V3 on Bottom Layer "3V3_L02_P001" (solid, pour order 1): 115.316,107.442 115.316,106.426 113.919,106.426 112.903,105.41 112.903,101.854 112.014,101.854 112.014,105.918 113.538,107.442
5V on Bottom Layer "5V_L02_P000" (solid, pour order 0): 115.316,109.728 115.316,108.712 111.887,108.712 111.887,113.284 112.903,113.284 112.903,109.728
GND on Top Layer "GND_L01_P022" (solid, remove dead copper, pour order 22): 62.103,35.528 62.103,131 cw(c64.103,131) 64.103,133 128.302,133 cw(c128.302,131) 130.302,131 130.302,35.528 cw(c128.302,35.528) 128.302,33.528 64.103,33.528 cw(c64.103,35.528)
3V3 on Top Layer "3V3_L01_P016" (solid, pour order 16): 114.3,40.386 114.3,39.37 109.601,39.37 105.918,43.053 105.918,67.691 101.727,71.882 98.933,71.882 98.933,73.152 102.616,73.152 107.061,68.707 107.061,44.069 110.744,40.386
3V3 on Top Layer "3V3_L01_P008" (solid, pour order 8): 101.346,84.963 101.346,83.82 79.629,83.82 73.279,90.17 73.279,107.061 79.248,113.03 102.87,113.03 113.538,102.362 112.395,101.219 102.235,111.379 81.153,111.379 75.057,105.283 75.057,91.694 81.788,84.963
5V on Top Layer "5V_L01_P005" (solid, pour order 5): 93.091,120.523 93.091,119.634 90.297,119.634 88.519,121.412 88.519,123.444 87.503,124.46 72.898,124.46 72.009,123.571 72.009,121.793 70.739,121.793 70.739,123.952 72.517,125.73 88.265,125.73 89.535,124.46 89.535,122.428 91.44,120.523

## Keep-outs
Keep-Out Layer:
  the board outline again, w0.254

## Other copper
Bottom Layer:
  rectangle net 5V: 93.091,105.283 94.107,108.204
  rectangle net 5V: 97.282,108.585 98.298,112.395
  rectangle net NetD1_1: 109.474,98.171 110.236,101.219
  rectangle net 5V: 111.125,112.776 113.665,117.729
  rectangle net NetF1_1: 110.744,120.523 117.221,122.047

## Silkscreen, mask and mechanical layers (free items; w line width, h text height)
Top Overlay:
  drawing of 17 lines, arcs and shapes, not listed